# Allegro board GPS_INTERFACE_BOARD_v24_test_SFP_.brd (continued)
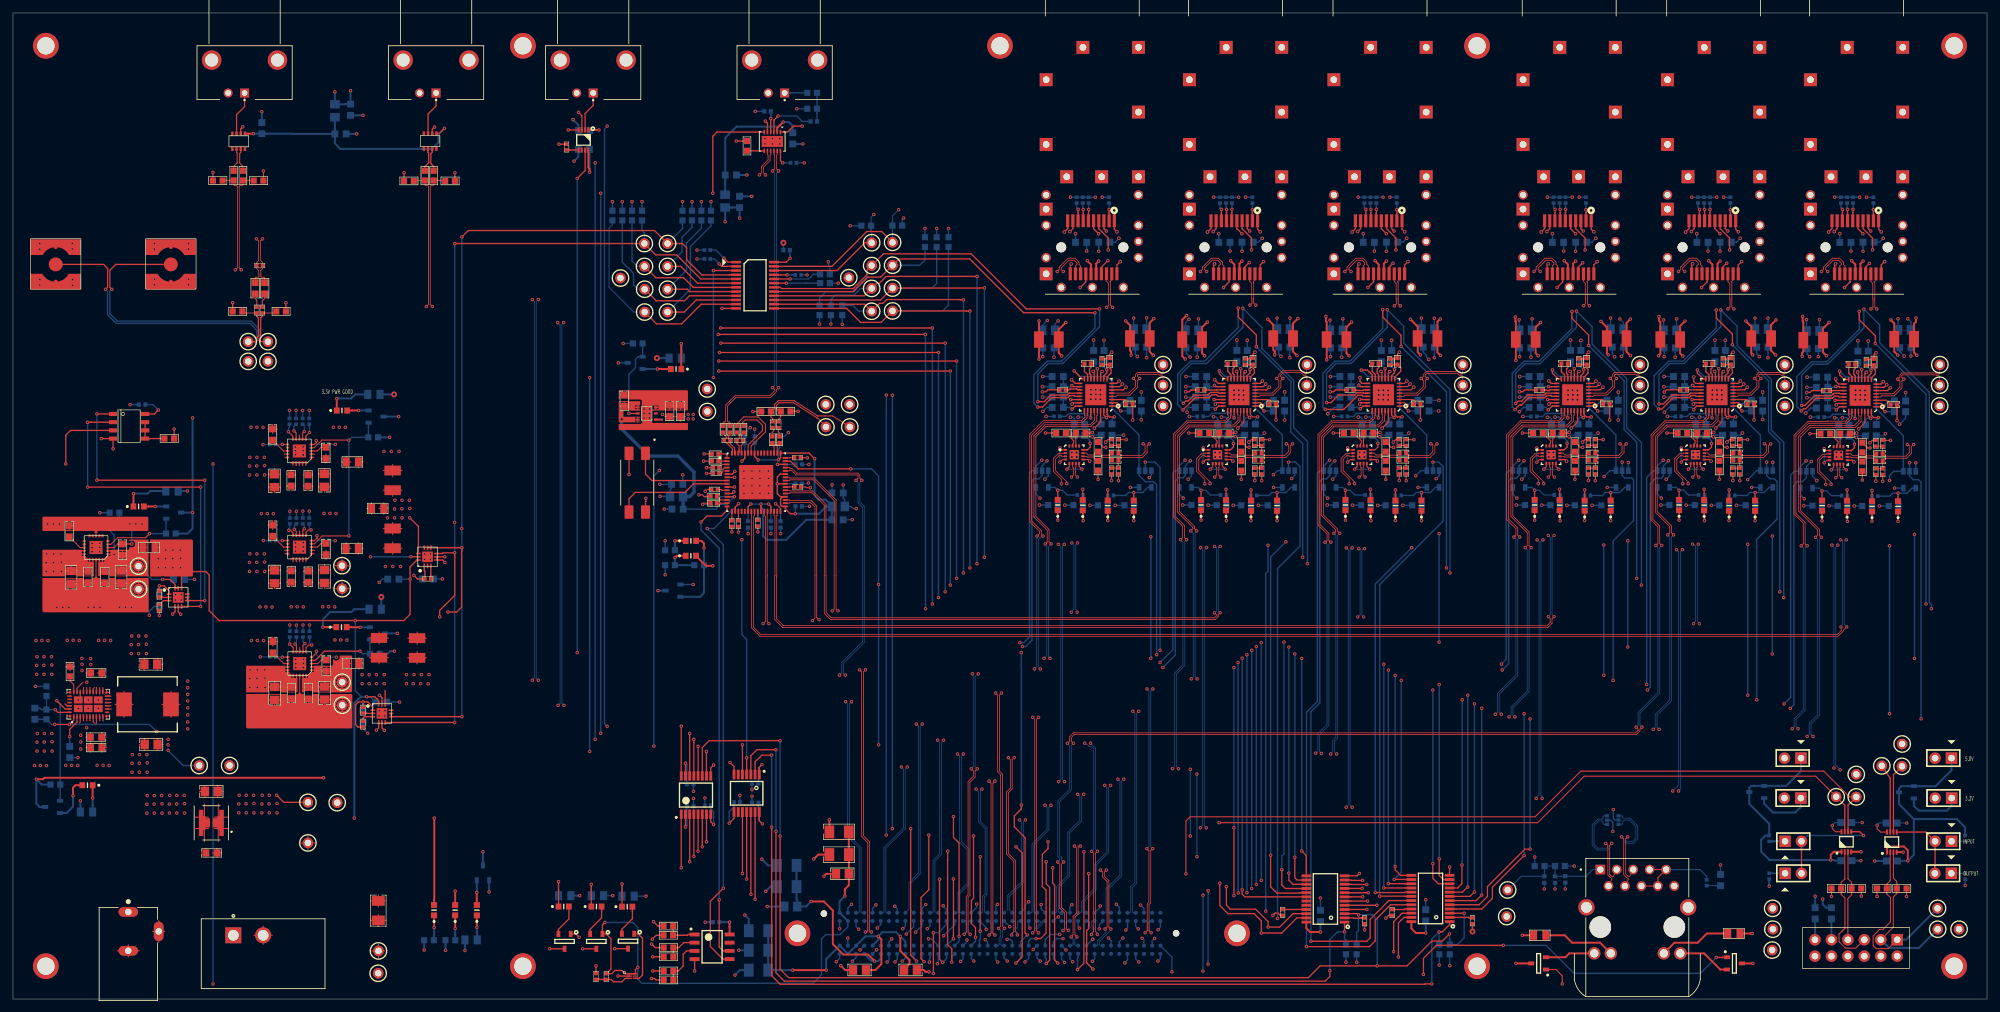
[diagram p0: board, top side]
## Via types (continued)

## Routing (per net, layer and track width the routed paths; a pad name or vN(x,y) marks a point on that pad's centre or on a via; arc(x,y) is an arc through that point)
12V_CONN: length 10.9
  L3 w0.165: 17.81,12.53 J7.1 ; J7.1 19.49,13.46 ; J7.1 16.12,13.46 ; J7.1 17.81,14.39 ; 32.61,9.86 S1.1 ; S1.1 34.03,8.44 ; S1.1 35.45,9.86 ; S1.1 34.03,11.27
12V_FUSE: length 15.8
  TOP w0.165: TP10.1 46.55,24.13 ; TP10.1 45.54,25.13 ; TP10.1 44.54,24.13 ; TP10.1 45.54,23.13 ; 56.41,14.24 F1.2 ; F1.2 57.59,15.17 ; F1.2 55.24,15.17 ; F1.2 56.41,16.09 ; 30.82,22.58 C41.1 ; C41.1 32.23,22.58 ; C41.1 31.52,23.3 ; C41.1 31.52,21.86 ; 31.1,26.35 FL1.1 ; FL1.1 31.71,26.96 ; FL1.1 33.16,26.35 ; FL1.1 31.71,24.3
12V_SW: length 13.9
  TOP w0.165: TP14.1 57.44,7.44 ; TP14.1 56.44,8.45 ; TP14.1 56.44,6.44 ; TP14.1 55.44,7.44 ; F1.1 57.59,12.17 ; F1.1 55.24,12.17 ; F1.1 56.41,13.09 ; F1.1 56.41,11.24 ; 37.21,9.86 S1.2 ; S1.2 38.63,11.27 ; S1.2 38.63,8.44 ; S1.2 40.05,9.86
GND_IN: length 17.3
  TOP w0.165: J7.2 17.81,8.39 ; J7.2 16.12,7.46 ; J7.2 19.49,7.46 ; J7.2 17.81,6.53 ; 28.1,26.35 FL1.4 ; FL1.4 30.16,26.35 ; FL1.4 29.56,24.3 ; FL1.4 29.56,26.96 ; 29.79,21.86 C41.2 ; C41.2 29.79,23.3 ; C41.2 29.09,22.58 ; J7.3 23.44,10.46 ; J7.3 22.51,8.77 ; J7.3 22.51,12.15 ; J7.3 21.57,10.46
GND_POWER: length 3066.4
  TOP w0.165: 19.41,62.34 TP16.1 ; TP16.1 18.4,63.35 ; TP16.1 20.41,63.35 ; TP16.1 19.41,64.35 ; 40.13,54.54 C85.2 ; C85.2 40.13,55.95 ; C85.2 39.41,55.25 ; C85.2 40.85,55.25 ; 50.83,62.42 TP18.1 ; TP18.1 50.83,64.43 ; TP18.1 49.82,63.42 ; TP18.1 51.83,63.42 ; C57.2 8.69,73.88 ; C57.2 9.41,73.18 ; C57.2 8.69,72.48 ; C57.2 7.97,73.18 ; U11.8 44.22,87.17 ; U6.9 13.38,43.03 13.39,43.03 ; 57.17,69.67 C66.2 ; C66.2 58.62,70.61 ; C66.2 58.62,68.73 ; C66.2 60.07,69.67 ; U12.18 44.27,49.56 ; 49.85,45.42 TP20.1 ; TP20.1 50.85,46.42 ; TP20.1 51.85,45.42 ; TP20.1 50.85,44.41 ; 45.59,63.71 C62.2 ; C62.2 46.31,64.41 ; C62.2 44.87,64.41 ; 44.85,79.27 C72.2 ; C72.2 46.29,79.27 ; C72.2 45.57,78.57 ; 100.68,91.77 C21.2 ; C21.2 101.4,91.07 ; C21.2 102.12,91.77 ; C21.2 101.4,92.48 ; R18.2 v1(30.87,127.78) ; 58.62,80.75 C67.2 ; C67.2 58.62,82.63 ; C67.2 60.07,81.69 ; C67.2 57.17,81.69 ; 62.41,54.84 C81.2 ; C81.2 63.86,55.78 ; C81.2 62.41,56.72 ; C81.2 60.96,55.78 ; 14.45,43.39 U6.40 14.81,43.76 ; 47.15,79.16 C73.2 ; C73.2 48.08,78.33 ; C73.2 49.01,79.16 ; C55.2 17.62,64.23 ; C55.2 16.69,63.4 ; C55.2 15.76,64.23 ; 43,45.73 C78.2 ; C78.2 43.72,46.43 ; C78.2 42.28,46.43 ; 8.45,43.76 U6.39 8.82,43.39 ; C30.1 v1(106.71,84.25) ; U11.18 44.22,82.42 ; C63.2 49.04,64.3 ; C63.2 47.18,64.3 ; C63.2 48.11,63.48 ; C54.2 14.89,64.34 ; C54.2 13.45,64.34 ; C54.2 14.17,63.63 ; 56.52,54.86 C82.2 ; C82.2 56.52,56.74 ; C82.2 55.07,55.8 ; C82.2 57.96,55.8 ; U4.3 99.27,91.8 ; U4.3 99.27,91.1 ; U4.3 99.74,91.45 ; R17.2 v1(38.67,127.98) ; 40.11,72.55 C65.2 ; C65.2 40.82,73.26 ; C65.2 39.39,73.26 ; C65.2 40.11,73.96 ; C40.2 29.63,33.01 ; C40.2 28.8,32.08 ; C40.2 29.63,31.15 ; C77.2 41.34,46.24 ; C77.2 40.41,45.42 ; C77.2 39.48,46.24 ; C80.2 49.06,46.29 ; C80.2 47.2,46.29 ; C80.2 48.13,45.47 ; R42.2 8.81,52.03 ; R42.2 9.47,51.37 ; R42.2 8.16,51.37 ; R42.2 8.81,50.72 ; 13.01,50.39 C43.2 ; C43.2 13.72,51.11 ; C43.2 14.42,50.39 ; C43.2 13.72,49.68 ; U12.8 44.27,54.31 ; R104.2 v1(285.38,15.91) ; v1(112.01,72.16) R26.1 112.01,73.08 ; C42.2 13.72,39.58 ; C42.2 14.42,38.86 ; C42.2 13.72,38.14 ; C52.2 9.89,64.18 ; C52.2 8.97,63.35 ; C52.2 8.04,64.18 ; 12.57,48.13 12.38,47.94 U6.20 ; C79.2 46.34,46.4 ; C79.2 45.62,45.7 ; C79.2 44.9,46.4 ; 13.39,48.11 13.38,48.11 U6.18 ; 111,73.08 R25.1 v1(111,72.19) ; 8.82,47.75 U6.42 8.45,47.38 ; C76.2 40.08,88.82 ; C76.2 40.08,87.41 ; C76.2 40.8,88.11 ; C76.2 39.36,88.11 ; 39.46,64.25 C61.2 ; C61.2 40.39,63.42 ; C61.2 41.31,64.25 ; U6.8 12.88,42.63 12.88,42.62 ; U6.7 12.38,42.86 12.62,42.62 ; v1(106.88,78.46) 107.19,78.77 R23.1 107.91,78.77 ; R105.2 v1(280.78,15.86) ; 42.95,78.59 C71.2 ; C71.2 43.67,79.3 ; C71.2 42.23,79.3 ; 10.21,42.65 10.38,42.82 U6.3 ; U9.18 44.25,67.56 ; C70.2 41.29,79.11 ; C70.2 40.36,78.28 ; C70.2 39.43,79.11 ; R20.1 107.59,81.25 107.56,81.23 v1(107.09,81.23) ; R22.1 v1(107.09,82.12) ; 42.26,64.44 C60.2 ; C60.2 42.98,63.73 ; C60.2 43.7,64.44 ; U7.8 12.83,72.24 ; R19.1 122.15,83.67 122.18,83.64 v1(122.66,83.64) ; v1(106.5,76.45) 106.68,76.63 C33.1 ; 14.45,47.75 U6.41 14.81,47.38 ; 10.84,64.36 C53.2 ; C53.2 11.56,63.66 ; C53.2 12.28,64.36 ; C275.2 103.07,92.48 ; C275.2 103.07,91.07 ; C275.2 103.79,91.77 ; C275.2 102.35,91.77 ; U7.18 12.83,67.49 ; 97.87,91.73 U4.7 97.87,89.27 ; FL1.3 30.16,28.1 ; FL1.3 29.56,30.16 ; FL1.3 28.1,28.1 ; R109.2 v1(287.82,15.86) ; v1(105.92,77.93) 106.45,77.93 106.74,77.64 106.97,77.64 107.05,77.72 C32.1 ; C274.2 95.1,93.32 ; C274.2 94.38,94.02 ; C274.2 93.66,93.32 ; v1(10.09,46.23) 10.38,46.52 U6.24 ; 12.88,48.16 12.88,48.15 U6.19 ; 20.34,38.42 C50.2 ; C50.2 19.51,39.34 ; C50.2 20.34,40.27 ; 13.69,39.77 C44.2 ; C44.2 14.4,40.49 ; C44.2 13.69,41.21 ; 13.89,43 13.88,43.01 U6.10 ; 13.87,48.11 13.88,48.09 U6.17 ; R108.2 v1(292.37,15.86) ; C49.2 20.29,52.67 ; C49.2 20.29,50.81 ; C49.2 19.46,51.74 ; R21.1 v1(115.01,72.19) ; C31.1 v1(106.65,83.13) ; U9.8 44.25,72.31
  TOP w0.17: v4(264.64,86.08) 265.02,86.45 R144.2 ; v4(262.59,87.58) 262.49,87.48 R149.1 ; R165.2 242.72,86.45 v4(242.34,86.08) ; v4(240.29,87.58) 240.19,87.48 R170.1 ; v4(190.83,86.08) 191.2,86.45 R207.2 ; R123.2 287.09,86.35 v4(286.72,85.98) ; v4(188.37,83.13) 188.13,83.37 U38.9 ; U42.9 166,83.37 v4(166.24,83.13) ; U35.8 214.85,95.15 v4(215.21,95.51) ; J23.11 163.25,113.47 v4(163.4,113.61) ; R147.2 v4(265.56,80.14) ; R231.2 v4(169.62,80.14) ; R126.2 v4(287.63,80.04) ; v4(213.13,86.08) 213.51,86.45 R186.2 ; C223.2 v4(217.31,89.5) ; v4(188.78,87.58) 188.68,87.48 R212.1 ; R168.2 v4(243.26,80.14) ; R233.1 166.55,87.48 v4(166.65,87.58) ; R189.2 v4(214.05,80.14) ; R210.2 v4(191.74,80.14) ; v4(216.28,94.56) 215.86,94.15 U35.6 ; R239.1 168.69,98.95 168.79,99.05 C268.1 169.34,99.67 v4(169.65,99.97) ; v4(262.92,88.24) 263.87,89.19 U27.30 ; v4(168.71,86.08) 169.08,86.45 R228.2 ; U39.30 190.06,89.19 v4(189.1,88.24) ; U23.30 285.94,89.09 v4(284.99,88.14) ; R128.1 284.56,87.38 v4(284.66,87.48) ; U35.7 215.32,94.65 v4(215.72,95.05) ; C269.2 v4(172.89,89.5)
  TOP w0.203: U23.11 285.94,96.66 v4(286.16,96.88) ; v4(207.98,96.04) 207.98,95.48 208.31,95.15 U35.17 ; C246.2 v4(195.01,89.5) ; v4(207.82,113.61) 207.67,113.47 J21.11 ; v4(185.32,118.62) 185.77,119.07 J22.9 ; v1(116.18,135.69) 116.5,135.37 U1.5 ; v1(211.96,12.5) 212.4,12.94 R248.2 ; R13.2 v1(68.24,127.7) ; J21.17 212.47,113.11 v1(213.08,113.72) ; J18.20 288.46,113.45 v4(288.98,113.97) ; R72.1 99.16,7.95 v1(98.6,8.51) ; v1(87.33,137.03) 87.84,136.52 IC1.3 ; J19.1 265.99,118.98 v4(266.4,118.57) ; U13.4 56.47,41.92 v1(56.11,41.55) ; J19.14 261.59,110.84 v1(260.72,109.97) ; v4(280.33,118.54) 280.86,119.07 J18.10 ; v1(98.91,11.96) 99.59,11.28 R73.1 ; v4(162.32,118.54) 162.85,119.07 J23.10 ; v4(166.8,97) 166.93,96.87 U43.13 ; U43.23 163.72,92.15 v4(163.53,91.95) ; v4(237.16,91.95) 237.36,92.15 U31.23 ; v4(158.95,93.85) 159.49,93.85 159.79,94.16 R241.2 ; v1(207.9,19.41) 207.54,19.04 IC9.12 ; R253.2 v1(24.88,88.1) ; R176.1 242.32,98.95 242.42,99.05 C199.1 242.98,99.67 v4(243.28,99.97) ; C177.2 v4(268.82,89.5) ; v1(190.88,113.82) 190.17,113.11 J22.17 ; v4(215.39,113.97) 214.87,113.45 J21.20 ; U31.7 244.53,94.65 v4(244.93,95.05) ; U23.13 284.94,96.77 v4(284.81,96.9) ; v4(235.96,118.54) 236.48,119.07 J20.10 ; R155.1 264.62,98.95 264.72,99.05 C176.1 265.28,99.67 v4(265.58,99.97) ; U43.30 167.93,89.19 v4(166.98,88.24) ; v4(211.4,88.24) 212.36,89.19 U35.30 ; v4(259.33,113.61) 259.19,113.47 J19.11 ; J23.9 163.65,119.07 v4(163.2,118.62) ; R197.1 213.11,98.95 213.21,99.05 C222.1 213.77,99.67 v4(214.07,99.97) ; R249.2 v5(225.35,10.44) ; U23.23 281.73,92.04 v4(281.53,91.85) ; U39.11 190.06,96.76 v4(190.27,96.98) ; U27.13 262.87,96.87 v4(262.74,97) ; v4(281.41,113.61) 281.26,113.47 J18.11 ; J19.10 258.79,119.07 v4(258.26,118.54) ; J22.14 187.77,110.84 v1(186.91,109.97) ; v1(66.67,68.35) U10.5 U10.4 66.34,67.85 v1(66.7,67.49) ; U39.6 193.56,94.15 v4(193.98,94.56) ; U23.17 281.89,95.04 281.43,95.5 v4(281.43,95.83) ; v4(192.58,118.57) 192.17,118.98 J22.1 ; v4(262.18,83.13) 261.94,83.37 U26.9 ; v4(245.49,94.56) 245.07,94.15 U31.6 ; J19.9 259.59,119.07 v4(259.14,118.62) ; v4(211.23,97) 211.36,96.87 U35.13 ; J19.17 263.99,113.11 v1(264.6,113.73) ; v4(171.86,94.56) 171.44,94.15 U43.6 ; U43.11 167.93,96.76 v4(168.15,96.98) ; v4(191.77,99.97) 191.47,99.67 C245.1 190.91,99.05 190.81,98.95 R218.1 ; v4(192.91,95.51) 192.55,95.15 U39.8 ; U19.12 v1(109.47,106.74) ; v4(203.38,93.85) 203.91,93.85 204.19,94.13 R199.2 ; v1(254.97,93.8) 255.32,94.16 R157.2 ; R79.2 v1(90.02,5.13) ; v4(288.47,118.57) 288.06,118.98 J18.1 ; U39.7 193.02,94.65 v4(193.42,95.05) ; R30.2 v1(121.23,90.83) ; J22.20 192.57,113.45 v4(193.09,113.97) ; U2.2 64.74,134.41 v1(65.1,134.77) ; v1(35.48,134.8) 35.17,134.49 U3.2 ; v4(289.86,94.46) 289.45,94.04 U23.6 ; R14.2 v1(60.39,127.72) ; U16.2 v1(93.42,3.56) ; R9.2 v1(111.67,132.6) ; U18.9 107.74,35.73 v1(108.18,36.17) ; v4(244.42,95.51) 244.06,95.15 U31.8 ; v4(267.79,94.56) 267.37,94.15 U27.6 ; R178.2 233.4,94.13 233.12,93.85 v4(232.59,93.85) ; J20.1 243.68,118.98 v4(244.09,118.57) ; U8.5 25.53,59.84 v1(25.9,59.47) ; J22.10 184.97,119.07 v4(184.45,118.54) ; v4(170.97,113.97) 170.45,113.45 J23.20 ; v4(211.08,87.58) 210.98,87.48 R191.1 ; v4(287.65,99.87) 287.35,99.57 C153.1 286.8,98.95 286.7,98.85 R134.1 ; J19.20 266.39,113.45 v4(266.9,113.97) ; IC11.12 v1(221.82,20.42) ; U35.23 208.15,92.15 v4(207.95,91.95) ; v4(171.3,95.05) 170.9,94.65 U43.7 ; U31.30 241.57,89.19 v4(240.61,88.24) ; U8.4 25.03,59.85 v1(24.66,59.49) ; U27.23 259.66,92.15 v4(259.46,91.95) ; v4(188.93,97) 189.06,96.87 U39.13 ; R49.1 v1(22.61,59.26) ; C154.2 v4(290.9,89.4) ; U39.23 185.85,92.15 v4(185.65,91.95) ; v4(259.51,96.14) 259.51,95.45 259.82,95.15 U27.17 ; U30.9 239.64,83.37 v4(239.88,83.13) ; v4(170.46,118.57) 170.05,118.98 J23.1 ; v4(288.8,95.4) 288.43,95.04 U23.8 ; v1(242.35,113.78) 241.68,113.11 J20.17 ; v4(206.75,118.54) 207.27,119.07 J21.10 ; 8.05,45.62 8.35,45.32 U6.30 ; v4(214.88,118.57) 214.47,118.98 J21.1 ; J23.17 168.05,113.11 v1(169.06,114.12) ; v4(284.25,83.03) 284.01,83.27 U22.9 ; U43.8 170.43,95.15 v4(170.79,95.51) ; v4(181.08,93.85) 181.61,93.85 181.89,94.13 181.91,94.11 R220.2 ; U27.11 263.87,96.76 v4(264.08,96.98) ; U27.7 266.83,94.65 v4(267.23,95.05) ; v4(210.67,83.13) 210.43,83.37 U34.9 ; v4(185.55,95.71) 186.11,95.15 U39.17 ; v4(266.72,95.51) 266.36,95.15 U27.8 ; IC3.4 v1(105.25,4.33) ; v4(240.44,97) 240.57,96.87 U31.13 ; J18.17 286.06,113.11 v1(286.64,113.69) ; R29.2 v1(114.25,90.81) ; U31.17 237.52,95.15 v4(237.13,95.53) ; v4(212.57,96.98) 212.36,96.76 U35.11 ; R250.2 v1(208.69,10.69) ; v1(57.34,41.54) 56.97,41.91 U13.5 ; J18.9 281.66,119.07 v4(281.21,118.62) ; R71.1 v1(98.81,4.34) ; J21.14 210.07,110.84 v1(209.21,109.97) ; J20.11 236.88,113.47 v4(237.03,113.61) ; J21.9 208.07,119.07 v4(207.62,118.62) ; U23.7 288.9,94.54 v4(289.31,94.95) ; v4(244.6,113.97) 244.08,113.45 J20.20 ; J22.11 185.37,113.47 v4(185.52,113.61) ; v4(276.96,93.75) 277.5,93.75 277.77,94.03 R136.2 ; v1(282.79,109.97) 283.66,110.84 J18.14 ; v1(238.42,109.97) 239.28,110.84 J20.14 ; J23.14 165.65,110.84 v1(164.78,109.97) ; U31.11 241.57,96.76 v4(241.78,96.98) ; R8.2 v1(42.15,107.61) ; v1(15.46,85.04) U46.4 v1(13.64,86.61) ; C200.2 v4(246.52,89.5) ; J20.9 237.28,119.07 v4(236.83,118.62) ; v4(163.45,95.71) 164.01,95.15 U43.17 ; v1(110.72,36.55) 111.33,35.94 U17.7 ; IC1.4 v1(85.75,134.32) ; R7.2 v1(33.92,107.63)
  TOP w0.305: C101.2 128.47,4.5 v1(127.81,5.16) ; v1(123.65,21.64) 124.33,22.33 C107.2 ; IC4.4 v1(285.34,22.76) ; C100.2 140.6,4.5 140.88,4.22 v1(141.43,4.22) ; IC5.4 v1(291.85,22.71) ; R39.1 v1(268.53,10.13) ; v1(125.22,18.97) 125.6,19.35 C105.2 ; R43.1 v1(233.04,9.86) ; C106.2 v1(126.06,27.71)
  L2 w0.165: J19.S17 255.46,143.26 ; J19.S17 256.64,142.08 ; J19.S17 255.46,140.9 ; J19.S17 254.28,142.08 ; 279.86,109.07 J18.S7 ; J18.S7 280.76,109.98 ; J18.S7 278.95,109.98 ; J18.S7 279.86,110.89 ; 215.87,109.07 J21.S5 ; J21.S5 216.78,109.98 ; J21.S5 214.97,109.98 ; J21.S5 215.87,110.89 ; 199.8,90.67 TP70.1 ; TP70.1 200.8,91.67 ; TP70.1 199.8,92.67 ; TP70.1 198.79,91.67 ; TP80.1 292.7,39.42 ; TP80.1 290.69,39.42 ; TP80.1 291.69,38.42 ; TP80.1 291.69,40.42 ; J19.S8 256.37,114.58 ; J19.S8 255.46,115.49 ; J19.S8 254.55,114.58 ; J19.S8 255.46,113.67 ; 210.17,109.98 J21.S6 ; J21.S6 211.07,110.89 ; J21.S6 211.98,109.98 ; J21.S6 211.07,109.07 ; J23.S19 159.52,123.26 ; J23.S19 159.52,120.9 ; J23.S19 158.35,122.08 ; J23.S19 160.7,122.08 ; J22.S14 191.4,127.08 ; J22.S14 190.22,125.9 ; J22.S14 190.22,128.26 ; J22.S14 189.04,127.08 ; 246.23,127.08 J20.S11 ; J20.S11 248.59,127.08 ; J20.S11 247.41,128.26 ; J20.S11 247.41,125.9 ; J19.S19 255.46,123.26 ; J19.S19 256.64,122.08 ; J19.S19 255.46,120.9 ; J19.S19 254.28,122.08 ; P1.6 286.79,6.63 ; P1.6 285.85,7.57 ; P1.6 285.85,5.69 ; P1.6 284.91,6.63 ; J21.S11 219.38,127.08 ; J21.S11 217.02,127.08 ; J21.S11 218.2,128.26 ; J21.S11 218.2,125.9 ; 233.16,120.9 J20.S19 ; J20.S19 231.98,122.08 ; J20.S19 234.34,122.08 ; J20.S19 233.16,123.26 ; J23.S18 159.52,133.26 ; J23.S18 160.7,132.08 ; J23.S18 158.35,132.08 ; J23.S18 159.52,130.9 ; J22.S2 195.9,115.49 ; J22.S2 196.81,114.58 ; J22.S2 194.99,114.58 ; J22.S2 195.9,113.67 ; J6.S1 30.68,146.8 ; J6.S1 30.68,143.42 ; J6.S1 29,145.11 ; J6.S1 32.37,145.11 ; J20.S13 247.41,148.26 ; J20.S13 247.41,145.9 ; J20.S13 246.23,147.08 ; J20.S13 248.59,147.08 ; J18.S2 292.69,114.58 ; J18.S2 291.78,113.67 ; J18.S2 290.88,114.58 ; J18.S2 291.78,115.49 ; J22.S19 182.83,122.08 ; J22.S19 181.65,120.9 ; J22.S19 180.47,122.08 ; J22.S19 181.65,123.26 ; J1.S2 125.92,145.11 ; J1.S2 122.55,145.11 ; J1.S2 124.23,143.42 ; J1.S2 124.23,146.8 ; 258.65,12.74 J17.S2 ; J17.S2 258.65,15.61 ; J17.S2 260.09,14.17 ; J17.S2 257.22,14.17 ; TP28.1 230.63,13.75 ; TP28.1 229.63,12.75 ; TP28.1 231.64,12.75 ; TP28.1 230.63,11.75 ; J20.S10 234.07,124.28 ; J20.S10 233.16,123.37 ; J20.S10 232.25,124.28 ; J20.S10 233.16,125.19 ; J5.2 62.79,140.91 ; J5.2 61.91,140.03 ; J5.2 62.79,139.15 ; J5.2 63.67,140.03 ; J19.S20 255.46,113.26 ; J19.S20 255.46,110.9 ; J19.S20 254.28,112.08 ; J19.S20 256.64,112.08 ; 128.18,91.9 TP6.1 ; TP6.1 129.18,90.89 ; TP6.1 130.19,91.9 ; TP6.1 129.18,92.9 ; J20.S9 234.07,119.58 ; J20.S9 232.25,119.58 ; J20.S9 233.16,120.49 ; J20.S9 233.16,118.67 ; J19.S2 269.71,115.49 ; J19.S2 268.8,114.58 ; J19.S2 269.71,113.67 ; J19.S2 270.62,114.58 ; 234.58,109.98 J20.S7 ; J20.S7 236.39,109.98 ; J20.S7 235.48,110.89 ; J20.S7 235.48,109.07 ; J22.S11 195.9,128.26 ; J22.S11 197.08,127.08 ; J22.S11 195.9,125.9 ; J22.S11 194.72,127.08 ; 187.87,109.98 J22.S6 ; J22.S6 188.77,110.89 ; J22.S6 189.68,109.98 ; J22.S6 188.77,109.07 ; 192.67,109.98 J22.S5 ; J22.S5 193.57,110.89 ; J22.S5 193.57,109.07 ; J22.S5 194.48,109.98 ; 173.77,135.9 J23.S12 ; J23.S12 172.6,137.08 ; J23.S12 173.77,138.26 ; J23.S12 174.95,137.08 ; J23.S11 173.77,128.26 ; J23.S11 172.6,127.08 ; J23.S11 173.77,125.9 ; J23.S11 174.95,127.08 ; 166.92,127.08 J23.S14 ; J23.S14 169.28,127.08 ; J23.S14 168.1,128.26 ; J23.S14 168.1,125.9 ; 246.55,117.08 J20.S1 ; J20.S1 247.41,116.22 ; J20.S1 248.27,117.08 ; J20.S1 247.41,117.94 ; TP18.1 50.83,64.43 ; TP18.1 51.83,63.42 ; TP18.1 49.82,63.42 ; TP18.1 50.83,62.42 ; P1.10 281.71,6.63 ; P1.10 279.83,6.63 ; P1.10 280.77,7.57 ; P1.10 280.77,5.69 ; J6.2 34.1,140.03 ; J6.2 32.35,140.03 ; J6.2 33.22,140.91 ; J6.2 33.22,139.15 ; 209.62,145.9 J21.S15 ; J21.S15 208.45,147.08 ; J21.S15 209.62,148.26 ; J21.S15 210.8,147.08 ; J19.S10 255.46,125.19 ; J19.S10 255.46,123.37 ; J19.S10 256.37,124.28 ; J19.S10 254.55,124.28 ; J18.S1 291.78,117.94 ; J18.S1 290.93,117.08 ; J18.S1 292.64,117.08 ; J18.S1 291.78,116.22 ; 180.74,119.58 J22.S9 ; J22.S9 181.65,118.67 ; J22.S9 181.65,120.49 ; J22.S9 182.56,119.58 ; J23.S3 174.68,119.58 ; J23.S3 173.77,120.49 ; J23.S3 172.87,119.58 ; J23.S3 173.77,118.67 ; 217.29,119.58 J21.S3 ; J21.S3 218.2,120.49 ; J21.S3 218.2,118.67 ; J21.S3 219.11,119.58 ; 246.5,114.58 J20.S2 ; J20.S2 247.41,115.49 ; J20.S2 247.41,113.67 ; J20.S2 248.32,114.58 ; TP4.1 36.32,99.56 ; TP4.1 36.32,97.55 ; TP4.1 37.33,98.55 ; TP4.1 35.32,98.55 ; 203.95,130.9 J21.S18 ; J21.S18 203.95,133.26 ; J21.S18 205.13,132.08 ; J21.S18 202.77,132.08 ; J21.S16 207.12,128.26 ; J21.S16 207.12,125.9 ; J21.S16 208.3,127.08 ; J21.S16 205.95,127.08 ; J19.S16 259.81,127.08 ; J19.S16 258.64,125.9 ; J19.S16 257.46,127.08 ; J19.S16 258.64,128.26 ; J20.S20 234.34,112.08 ; J20.S20 231.98,112.08 ; J20.S20 233.16,110.9 ; J20.S20 233.16,113.26 ; J18.S10 277.53,125.19 ; J18.S10 276.63,124.28 ; J18.S10 278.44,124.28 ; J18.S10 277.53,123.37 ; J17.S1 242.94,15.61 ; J17.S1 244.38,14.17 ; J17.S1 241.51,14.17 ; J17.S1 242.94,12.74 ; 269.71,145.9 J19.S13 ; J19.S13 270.89,147.08 ; J19.S13 268.53,147.08 ; J19.S13 269.71,148.26 ; J5.S1 61.93,145.11 ; J5.S1 60.25,143.42 ; J5.S1 60.25,146.8 ; J5.S1 58.56,145.11 ; TP66.1 251.21,92.67 ; TP66.1 252.21,91.67 ; TP66.1 251.21,90.67 ; TP66.1 250.2,91.67 ; 290.88,124.28 J18.S4 ; J18.S4 291.78,125.19 ; J18.S4 291.78,123.37 ; J18.S4 292.69,124.28 ; 55.38,3.99 TP75.1 ; TP75.1 56.39,4.99 ; TP75.1 57.39,3.99 ; TP75.1 56.39,2.98 ; 82.82,145.11 J4.S1 ; J4.S1 84.51,143.42 ; J4.S1 86.19,145.11 ; J4.S1 84.51,146.8 ; 173.77,145.9 J23.S13 ; J23.S13 174.95,147.08 ; J23.S13 172.6,147.08 ; J23.S13 173.77,148.26 ; 271.63,6.57 TP86.1 ; TP86.1 270.62,7.57 ; TP86.1 271.63,8.57 ; TP86.1 272.63,7.57 ; J18.S20 277.53,113.26 ; J18.S20 276.35,112.08 ; J18.S20 277.53,110.9 ; J18.S20 278.71,112.08 ; 202.77,122.08 J21.S19 ; J21.S19 203.95,123.26 ; J21.S19 205.13,122.08 ; J21.S19 203.95,120.9 ; 172.87,114.58 J23.S2 ; J23.S2 174.68,114.58 ; J23.S2 173.77,115.49 ; J23.S2 173.77,113.67 ; J22.S17 182.83,142.08 ; J22.S17 180.47,142.08 ; J22.S17 181.65,143.26 ; J22.S17 181.65,140.9 ; 276.63,119.58 J18.S9 ; J18.S9 278.44,119.58 ; J18.S9 277.53,118.67 ; J18.S9 277.53,120.49 ; J18.S8 278.44,114.58 ; J18.S8 277.53,115.49 ; J18.S8 277.53,113.67 ; J18.S8 276.63,114.58 ; P1.4 289.33,6.63 ; P1.4 288.39,5.69 ; P1.4 287.45,6.63 ; P1.4 288.39,7.57 ; 268.53,127.08 J19.S11 ; J19.S11 269.71,128.26 ; J19.S11 270.89,127.08 ; J19.S11 269.71,125.9 ; J18.S12 291.78,138.26 ; J18.S12 292.96,137.08 ; J18.S12 290.6,137.08 ; J18.S12 291.78,135.9 ; J19.S14 265.21,127.08 ; J19.S14 264.04,125.9 ; J19.S14 262.86,127.08 ; J19.S14 264.04,128.26 ; J19.S12 270.89,137.08 ; J19.S12 269.71,135.9 ; J19.S12 268.53,137.08 ; J19.S12 269.71,138.26 ; J23.S15 166.38,147.08 ; J23.S15 164.02,147.08 ; J23.S15 165.2,145.9 ; J23.S15 165.2,148.26 ; 159.52,110.9 J23.S20 ; J23.S20 159.52,113.26 ; J23.S20 158.35,112.08 ; J23.S20 160.7,112.08 ; 180.74,114.58 J22.S8 ; J22.S8 181.65,115.49 ; J22.S8 182.56,114.58 ; J22.S8 181.65,113.67 ; 254.28,132.08 J19.S18 ; J19.S18 255.46,130.9 ; J19.S18 255.46,133.26 ; J19.S18 256.64,132.08 ; J19.S9 255.46,120.49 ; J19.S9 256.37,119.58 ; J19.S9 255.46,118.67 ; J19.S9 254.55,119.58 ; J20.S12 247.41,138.26 ; J20.S12 248.59,137.08 ; J20.S12 246.23,137.08 ; J20.S12 247.41,135.9 ; J17.P10 257.44,17.47 ; J17.P10 256.51,18.4 ; J17.P10 255.59,17.47 ; J17.P10 256.51,16.55 ; 269.71,123.37 J19.S4 ; J19.S4 269.71,125.19 ; J19.S4 270.62,124.28 ; J19.S4 268.8,124.28 ; 166.65,109.07 J23.S6 ; J23.S6 166.65,110.89 ; J23.S6 167.56,109.98 ; J23.S6 165.74,109.98 ; 218.2,113.67 J21.S2 ; J21.S2 219.11,114.58 ; J21.S2 218.2,115.49 ; J21.S2 217.29,114.58 ; J23.S9 159.52,120.49 ; J23.S9 158.62,119.58 ; J23.S9 159.52,118.67 ; J23.S9 160.43,119.58 ; 180.74,124.28 J22.S10 ; J22.S10 181.65,123.37 ; J22.S10 182.56,124.28 ; J22.S10 181.65,125.19 ; 87.05,139.15 J4.2 ; J4.2 86.17,140.03 ; J4.2 87.92,140.03 ; J4.2 87.05,140.91 ; 170.54,109.98 J23.S5 ; J23.S5 172.36,109.98 ; J23.S5 171.45,109.07 ; J23.S5 171.45,110.89 ; TP3.1 39.37,99.56 ; TP3.1 39.37,97.55 ; TP3.1 40.37,98.55 ; TP3.1 38.37,98.55 ; J22.S20 182.83,112.08 ; J22.S20 181.65,113.26 ; J22.S20 181.65,110.9 ; J22.S20 180.47,112.08 ; 194.99,124.28 J22.S4 ; J22.S4 195.9,125.19 ; J22.S4 195.9,123.37 ; J22.S4 196.81,124.28 ; 124.5,91.9 TP7.1 ; TP7.1 126.5,91.9 ; TP7.1 125.5,92.9 ; TP7.1 125.5,90.89 ; TP72.1 178.57,91.67 ; TP72.1 177.57,92.67 ; TP72.1 177.57,90.67 ; TP72.1 176.57,91.67 ; TP16.1 20.41,63.35 ; TP16.1 19.41,64.35 ; TP16.1 19.41,62.34 ; TP16.1 18.4,63.35 ; J19.S3 270.62,119.58 ; J19.S3 269.71,118.67 ; J19.S3 268.8,119.58 ; J19.S3 269.71,120.49 ; J23.S10 160.43,124.28 ; J23.S10 159.52,125.19 ; J23.S10 158.62,124.28 ; J23.S10 159.52,123.37 ; 180.47,132.08 J22.S18 ; J22.S18 182.83,132.08 ; J22.S18 181.65,130.9 ; J22.S18 181.65,133.26 ; 202.77,112.08 J21.S20 ; J21.S20 203.95,113.26 ; J21.S20 203.95,110.9 ; J21.S20 205.13,112.08 ; J22.S16 184.82,128.26 ; J22.S16 184.82,125.9 ; J22.S16 183.64,127.08 ; J22.S16 186,127.08 ; 195.9,118.67 J22.S3 ; J22.S3 194.99,119.58 ; J22.S3 196.81,119.58 ; J22.S3 195.9,120.49 ; J20.S6 241.19,109.98 ; J20.S6 240.28,110.89 ; J20.S6 239.38,109.98 ; J20.S6 240.28,109.07 ; 276.35,142.08 J18.S17 ; J18.S17 278.71,142.08 ; J18.S17 277.53,143.26 ; J18.S17 277.53,140.9 ; 273.58,90.67 TP64.1 ; TP64.1 274.59,91.67 ; TP64.1 273.58,92.67 ; TP64.1 272.58,91.67 ; J1.2 117.49,140.03 ; J1.2 115.73,140.03 ; J1.2 116.61,140.91 ; J1.2 116.61,139.15 ; J21.S7 206.27,110.89 ; J21.S7 207.18,109.98 ; J21.S7 206.27,109.07 ; J21.S7 205.37,109.98 ; J22.S13 195.9,148.26 ; J22.S13 197.08,147.08 ; J22.S13 195.9,145.9 ; J22.S13 194.72,147.08 ; 240.56,127.08 J20.S14 ; J20.S14 241.73,125.9 ; J20.S14 241.73,128.26 ; J20.S14 242.91,127.08 ; 32.45,36.09 TP12.1 ; TP12.1 33.45,37.1 ; TP12.1 33.45,35.09 ; TP12.1 34.46,36.09 ; 218.2,135.9 J21.S12 ; J21.S12 219.38,137.08 ; J21.S12 217.02,137.08 ; J21.S12 218.2,138.26 ; 278.23,5.69 P1.12 ; P1.12 277.29,6.63 ; P1.12 278.23,7.57 ; P1.12 279.17,6.63 ; J23.S8 159.52,115.49 ; J23.S8 159.52,113.67 ; J23.S8 160.43,114.58 ; J23.S8 158.62,114.58 ; J20.S8 234.07,114.58 ; J20.S8 232.25,114.58 ; J20.S8 233.16,115.49 ; J20.S8 233.16,113.67 ; 173.77,123.37 J23.S4 ; J23.S4 174.68,124.28 ; J23.S4 172.87,124.28 ; J23.S4 173.77,125.19 ; J21.S10 204.86,124.28 ; J21.S10 203.95,125.19 ; J21.S10 203.95,123.37 ; J21.S10 203.04,124.28 ; 106.18,94.28 TP89.1 ; TP89.1 107.19,95.29 ; TP89.1 107.19,93.28 ; TP89.1 108.19,94.28 ; 92.98,145.11 J4.S2 ; J4.S2 94.67,146.8 ; J4.S2 94.67,143.42 ; J4.S2 96.35,145.11 ; 183.97,109.07 J22.S7 ; J22.S7 183.97,110.89 ; J22.S7 184.88,109.98 ; J22.S7 183.07,109.98 ; 173.77,116.22 J23.S1 ; J23.S1 173.77,117.94 ; J23.S1 172.92,117.08 ; J23.S1 174.63,117.08 ; 261.68,109.98 J19.S6 ; J19.S6 262.59,109.07 ; J19.S6 262.59,110.89 ; J19.S6 263.49,109.98 ; 297.48,90.67 TP62.1 ; TP62.1 297.48,92.67 ; TP62.1 298.49,91.67 ; TP62.1 296.48,91.67 ; 247.41,123.37 J20.S4 ; J20.S4 247.41,125.19 ; J20.S4 248.32,124.28 ; J20.S4 246.5,124.28 ; J21.S1 218.2,117.94 ; J21.S1 219.06,117.08 ; J21.S1 217.34,117.08 ; J21.S1 218.2,116.22 ; 279.53,127.08 J18.S16 ; J18.S16 280.71,128.26 ; J18.S16 280.71,125.9 ; J18.S16 281.89,127.08 ; J19.S7 258.69,109.98 ; J19.S7 257.79,110.89 ; J19.S7 256.88,109.98 ; J19.S7 257.79,109.07 ; TP20.1 50.85,46.42 ; TP20.1 49.85,45.42 ; TP20.1 51.85,45.42 ; TP20.1 50.85,44.41 ; 195.04,117.08 J22.S1 ; J22.S1 195.9,116.22 ; J22.S1 195.9,117.94 ; J22.S1 196.76,117.08 ; TP87.1 285.61,34.72 ; TP87.1 284.61,35.73 ; TP87.1 283.6,34.72 ; TP87.1 284.61,33.72 ; J19.S5 267.39,110.89 ; J19.S5 266.48,109.98 ; J19.S5 267.39,109.07 ; J19.S5 268.29,109.98 ; J23.S16 162.7,128.26 ; J23.S16 161.52,127.08 ; J23.S16 163.88,127.08 ; J23.S16 162.7,125.9 ; J18.S3 291.78,120.49 ; J18.S3 292.69,119.58 ; J18.S3 290.88,119.58 ; J18.S3 291.78,118.67 ; 282.03,147.08 J18.S15 ; J18.S15 283.21,145.9 ; J18.S15 284.39,147.08 ; J18.S15 283.21,148.26 ; 217.02,147.08 J21.S13 ; J21.S13 218.2,148.26 ; J21.S13 218.2,145.9 ; J21.S13 219.38,147.08 ; J21.S8 204.86,114.58 ; J21.S8 203.95,115.49 ; J21.S8 203.95,113.67 ; J21.S8 203.04,114.58 ; J20.S18 233.16,133.26 ; J20.S18 233.16,130.9 ; J20.S18 231.98,132.08 ; J20.S18 234.34,132.08 ; 223.85,90.67 TP68.1 ; TP68.1 222.85,91.67 ; TP68.1 224.85,91.67 ; TP68.1 223.85,92.67 ; J20.S5 245.99,109.98 ; J20.S5 245.08,109.07 ; J20.S5 244.18,109.98 ; J20.S5 245.08,110.89 ; 233.16,140.9 J20.S17 ; J20.S17 231.98,142.08 ; J20.S17 233.16,143.26 ; J20.S17 234.34,142.08 ; J19.S15 262.31,147.08 ; J19.S15 259.96,147.08 ; J19.S15 261.14,145.9 ; J19.S15 261.14,148.26 ; J18.S19 278.71,122.08 ; J18.S19 276.35,122.08 ; J18.S19 277.53,123.26 ; J18.S19 277.53,120.9 ; J20.S3 247.41,120.49 ; J20.S3 247.41,118.67 ; J20.S3 246.5,119.58 ; J20.S3 248.32,119.58 ; TP13.1 51.07,30.35 ; TP13.1 50.06,29.35 ; TP13.1 50.06,31.36 ; TP13.1 49.06,30.35 ; P1.8 284.25,6.63 ; P1.8 282.37,6.63 ; P1.8 283.31,7.57 ; P1.8 283.31,5.69 ; 211.35,127.08 J21.S14 ; J21.S14 213.7,127.08 ; J21.S14 212.52,125.9 ; J21.S14 212.52,128.26 ; J23.S17 159.52,143.26 ; J23.S17 160.7,142.08 ; J23.S17 159.52,140.9 ; J23.S17 158.35,142.08 ; J18.S13 291.78,148.26 ; J18.S13 291.78,145.9 ; J18.S13 292.96,147.08 ; J18.S13 290.6,147.08 ; 291.78,125.9 J18.S11 ; J18.S11 290.6,127.08 ; J18.S11 292.96,127.08 ; J18.S11 291.78,128.26 ; J20.S16 237.51,127.08 ; J20.S16 236.33,128.26 ; J20.S16 236.33,125.9 ; J20.S16 235.16,127.08 ; J5.S2 70.41,146.8 ; J5.S2 70.41,143.42 ; J5.S2 72.09,145.11 ; J5.S2 68.72,145.11 ; J21.S17 203.95,143.26 ; J21.S17 203.95,140.9 ; J21.S17 202.77,142.08 ; J21.S17 205.13,142.08 ; J22.S15 187.32,148.26 ; J22.S15 186.14,147.08 ; J22.S15 187.32,145.9 ; J22.S15 188.5,147.08 ; 92.8,111.43 TP23.1 ; TP23.1 94.81,111.43 ; TP23.1 93.8,110.43 ; TP23.1 93.8,112.43 ; 288.55,109.98 J18.S5 ; J18.S5 290.37,109.98 ; J18.S5 289.46,110.89 ; J18.S5 289.46,109.07 ; 269.71,116.22 J19.S1 ; J19.S1 270.57,117.08 ; J19.S1 268.85,117.08 ; J19.S1 269.71,117.94 ; TP81.1 300.48,11.8 ; TP81.1 299.48,10.79 ; TP81.1 300.67,10.79 ; TP81.1 300.48,9.79 ; J21.S4 218.2,125.19 ; J21.S4 219.11,124.28 ; J21.S4 218.2,123.37 ; J21.S4 217.29,124.28 ; 283.75,109.98 J18.S6 ; J18.S6 285.57,109.98 ; J18.S6 284.66,109.07 ; J18.S6 284.66,110.89 ; J18.S14 287.29,127.08 ; J18.S14 286.11,125.9 ; J18.S14 284.93,127.08 ; J18.S14 286.11,128.26 ; 276.35,132.08 J18.S18 ; J18.S18 278.71,132.08 ; J18.S18 277.53,130.9 ; J18.S18 277.53,133.26 ; TP21.1 130.06,111.48 ; TP21.1 129.06,112.48 ; TP21.1 129.06,110.48 ; TP21.1 128.05,111.48 ; J22.S12 197.08,137.08 ; J22.S12 195.9,138.26 ; J22.S12 194.72,137.08 ; J22.S12 195.9,135.9 ; J21.S9 204.86,119.58 ; J21.S9 203.95,120.49 ; J21.S9 203.04,119.58 ; J21.S9 203.95,118.67 ; P1.2 291.87,6.63 ; P1.2 290.93,7.57 ; P1.2 290.93,5.69 ; P1.2 289.99,6.63 ; J1.S1 115.76,145.11 ; J1.S1 114.07,146.8 ; J1.S1 112.39,145.11 ; J1.S1 114.07,143.42 ; 238.83,145.9 J20.S15 ; J20.S15 238.83,148.26 ; J20.S15 237.66,147.08 ; J20.S15 240.01,147.08 ; 40.84,143.42 J6.S2 ; J6.S2 42.53,145.11 ; J6.S2 39.16,145.11 ; J6.S2 40.84,146.8 ; J23.S7 162.76,109.98 ; J23.S7 161.85,109.07 ; J23.S7 161.85,110.89 ; J23.S7 160.94,109.98